# Altium PCB RX5808_TOP.PcbDoc
Units mm, origin at the board's own origin, x right, y up, seen from the top; angles counter-clockwise.
Board outline 34.04 x 27.96 mm, 2 copper layers (Top Layer, Bottom Layer); 67 components, 52 nets, 247 pads, 155 vias.
Unrouted connection lines stored in the file: 119.
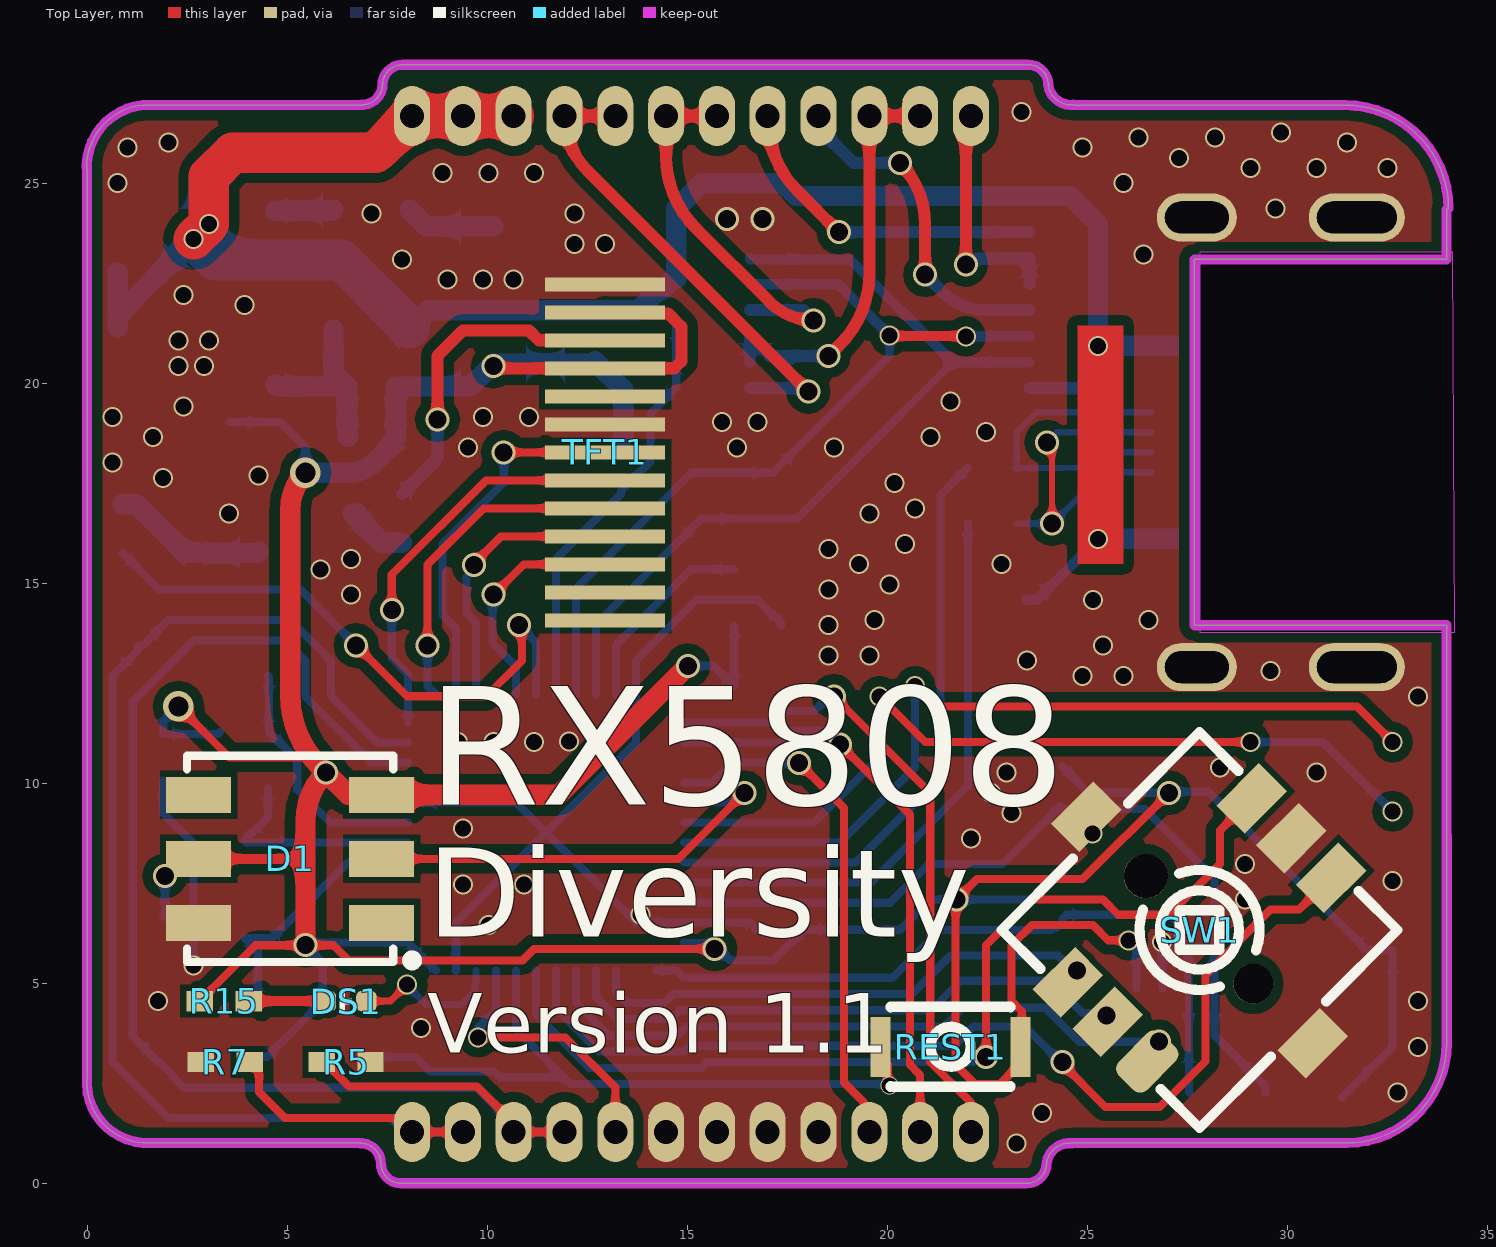
[diagram p0: Top Layer view]
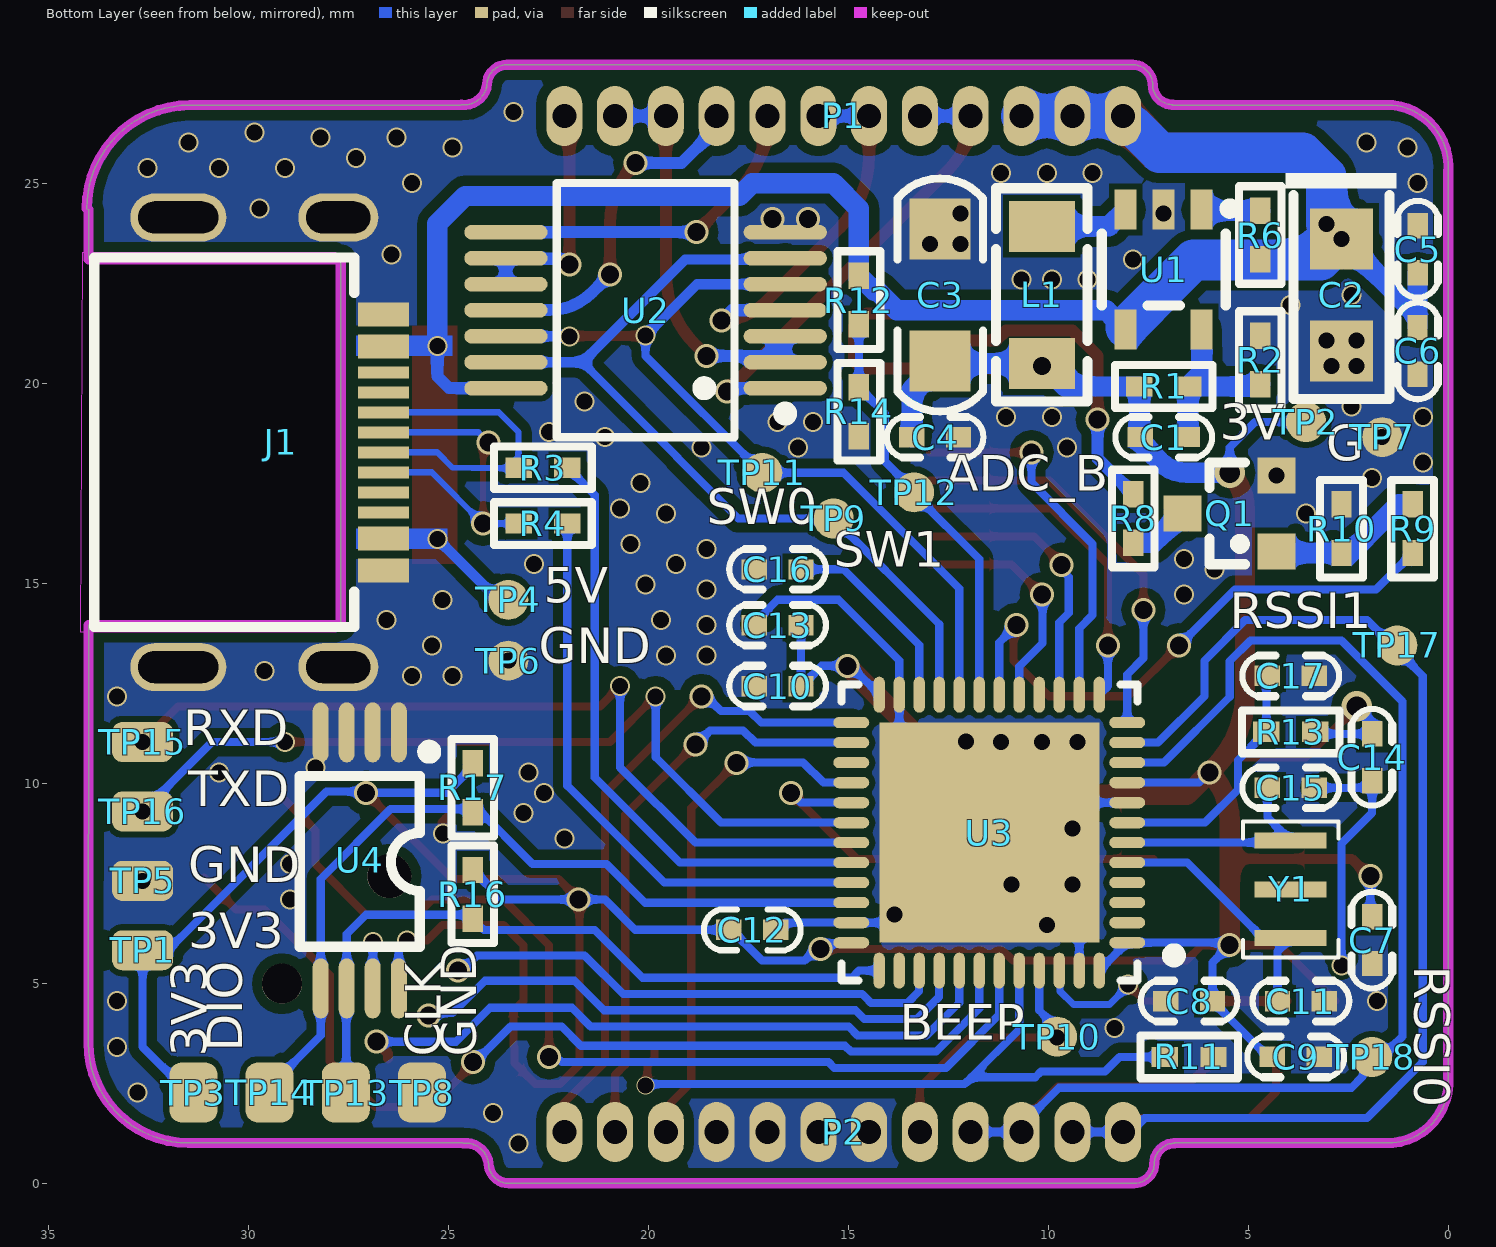
[diagram p1: Bottom Layer view, seen from below]

## Layer stack, top to bottom
Top Solder: solder mask 0.0102, Solder Resist, Dk 3.5
Top Layer: signal copper 0.0356
Dielectric 1: dielectric 0.32, FR-4, Dk 4.8
Bottom Layer: signal copper 0.0356
Bottom Solder: solder mask 0.0102, Solder Resist, Dk 3.5

## Board outline
0,2.667 ccw(c1.519,2.545) 1.397,1.027 6.858,1.027 6.84,1.017 cw(c6.84,0.509) 7.348,0.509 ccw(c7.848,0.517) 7.856,0.017 23.482,0.017 ccw(c23.49,0.517) 23.99,0.509 cw(c24.561,0.446) 24.625,1.017 24.643,1.027 31.494,1.027 ccw(c31.494,3.528) 33.995,3.528 33.991,13.97 27.686,13.97 27.686,23.114 33.991,23.114 33.991,24.361 34.036,24.384 ccw(c31.449,24.384) 31.449,26.971 24.683,26.971 24.665,26.981 cw(c24.601,27.552) 24.03,27.489 ccw(c23.53,27.481) 23.522,27.981 7.896,27.981 ccw(c7.888,27.481) 7.388,27.489 cw(c6.88,27.489) 6.88,26.981 6.898,26.971 1.397,26.971 ccw(c1.547,25.423) 0,25.273

## Design rules (kind name [scope] priority, off if disabled: settings)
Clearance [All] p1: gap=0.254 ignorepadtopadclearanceinfootprint=FALSE except(0: Arc-Hole Track-Hole SMDPad-Hole THPad-Hole Via-Hole Fill-Hole Poly-Hole Region-Hole Text-Hole; 0.152: SMDPad-SMDPad SMDPad-Fill SMDPad-Poly SMDPad-Region; 0.203: Arc-Arc Arc-Track Track-Track)
ComponentClearance [All] p1: gap=0 collisioncheckmode=3 verticalgap=0 showdistances=FALSE
MinimumSolderMaskSliver [All] p1: minsoldermaskwidth=0.152
PolygonConnect [All] p1: connectstyle=Direct reliefconductorwidth=0.254 reliefentries=4 polygonreliefangle="90 Angle" airgapwidth=0.254
RoutingVias [All] p1: holewidth=0.711 width=1.27 viastyle="Through Hole" minholewidth=0.711 minwidth=1.27 maxholewidth=0.711 maxwidth=1.27
SilkToSolderMaskClearance [IsPad] p1: minsilkscreentomaskgap=0 clearancetoexposedcopper=TRUE
SolderMaskExpansion [All] p1: expansion=0.102 istentingtop=FALSE
Width [All] p1: maxlimit=5.08 minlimit=0.152 preferedwidth=0.254
27 further rules are at their usual default settings.

## Components (designator, comment, footprint, x,y, rotation, side; value= is the part's Value field where it differs from the comment)
C1 "Cap" 0402_CAP 7.112,18.669 r180 bottom value=220pf
C2 "Cap Pol" CAP-3216 2.667,22.225 r270 bottom value=100uF
C3 "Cap" 1206_CAP 12.7,22.225 r270 bottom value=100nF
C4 "Cap" 0402_CAP 12.827,18.669 r0 bottom value=100nF
C5 "Cap" 0402_CAP 0.762,23.368 r270 bottom value=100nF
C6 "Cap" 0402_CAP 0.762,20.828 r90 bottom value=100nF
C7 "Cap" 0402_CAP 1.905,6.096 r270 bottom value=100nF
C8 "Cap" 0402_CAP 6.477,4.572 r0 bottom value=100nF
C9 "Cap" 0402_CAP 3.81,3.175 r180 bottom value=100nF
C10 "Cap" 0402_CAP 16.764,12.446 r0 bottom value=100nF
C11 "Cap" 0402_CAP 3.683,4.572 r0 bottom value=22pf
C12 "Cap" 0402_CAP 17.399,6.35 r180 bottom value=100nF
C13 "Cap" 0402_CAP 16.764,13.97 r0 bottom value=100nF
C14 "Cap" 0402_CAP 1.905,10.668 r270 bottom value=100nF
C15 "Cap" 0402_CAP 3.937,9.906 r0 bottom value=22pf
C16 "Cap" 0402_CAP 16.764,15.367 r0 bottom value=100nF
C17 "Cap" 0402_CAP 3.937,12.7 r180 bottom value=100nF
D1 "LED" LED-SMD_6P-L5.0-W5.0-TL 5.079,8.128 r180 top
DS1 "LED" 0402_LED 6.477,4.572 r0 top
J1 "USB type C" USB-C-SMD_TYPE-C-16M-005 30.099,18.542 r270 bottom
L1 "2.2uH" "L 1206" 10.16,22.225 r90 bottom
P1 "Header 12" HDR1.27-1x12 22.098,26.7 r180 bottom locked
P2 "Header 12" HDR1.27-1x12 22.098,1.3 r180 bottom locked
Q1 "SS8050" SOT23A 5.334,16.764 r90 bottom
R1 "100K" 0402_RES 7.112,19.939 r0 bottom
R2 "22K" 0402_RES 4.699,20.599 r270 bottom
R3 "22R" 0402_RES 22.631,17.907 r180 bottom
R4 "22R" 0402_RES 22.631,16.51 r180 bottom
R5 "1M" 0402_RES 6.477,3.048 r0 top
R6 "22K" 0402_RES 4.699,23.724 r90 bottom
R7 "1M" 0402_RES 3.454,3.048 r180 top
R8 "10" 0402_RES 7.874,16.637 r90 bottom
R9 "1K" 0402_RES 0.889,16.383 r90 bottom
R10 "10K" 0402_RES 2.667,16.383 r90 bottom
R11 "10K" 0402_RES 6.477,3.175 r180 bottom
R12 "10K" 0402_RES 14.732,22.098 r90 bottom
R13 "10K" 0402_RES 3.937,11.303 r180 bottom
R14 "10K" 0402_RES 14.732,19.304 r90 bottom
R15 "1K" 0402_RES 3.429,4.572 r180 top
R16 "10K" 0402_RES 24.384,7.239 r270 bottom
R17 "10K" 0402_RES 24.384,9.906 r270 bottom
REST1 "Jumper" SW-SMD_ST-1195 21.59,3.429 r0 top
SW1 "7*7*5-6P WX" SW-SMD_8P-L7.0-W7.0-P1.40-LS7.4-TL 27.813,6.35 r45 top locked
TFT1 "IPS0.96_80x160" IPS-0.96 12.573,18.291 r0 top locked
TP1 "TEST" TEST1.0#1 32.639,5.842 r180 bottom
TP2 "TEST" TEST1.0#2 3.556,19.05 r90 bottom
TP3 "TEST" TEST1.0#3 31.369,2.286 r90 bottom
TP4 "TEST" TEST1.0#2 23.495,14.605 r90 bottom
TP5 "TEST" TEST1.0#1 32.639,7.578 r180 bottom
TP6 "TEST" TEST1.0#2 23.495,13.081 r90 bottom
TP7 "TEST" TEST1.0#2 1.651,18.669 r90 bottom
TP8 "TEST" TEST1.0#3 25.654,2.286 r90 bottom
TP9 "TEST" TEST1.0#2 15.367,16.637 r90 bottom
TP10 "TEST" TEST1.0#2 9.779,3.683 r90 bottom
TP11 "TEST" TEST1.0#2 17.145,17.78 r90 bottom
TP12 "TEST" TEST1.0#2 13.354,17.291 r90 bottom
TP13 "TEST" TEST1.0#3 27.559,2.286 r90 bottom
TP14 "TEST" TEST1.0#3 29.464,2.286 r90 bottom
TP15 "TEST" TEST1.0#1 32.639,11.049 r180 bottom
TP16 "TEST" TEST1.0#1 32.639,9.313 r180 bottom
TP17 "TEST" TEST1.0#2 1.27,13.462 r90 bottom
TP18 "TEST" TEST1.0#2 1.905,3.175 r90 bottom
U1 "SY8079AAC" SOT-23-5_L3.0-W1.7-P0.95-LS2.8-TL 7.112,22.86 r270 bottom
U2 "SN74HC4066DBR" SSOP-14_L6.5-W5.2-P0.65-LS8.0-BL 20.066,21.844 r90 bottom locked
U3 "STM32F411CEU6" UFQFPN-48_L7.0-W7.0-P0.50-BL-EP 11.473,8.783 r90 bottom locked
U4 "24C02" TSSOP-8_L4.4-W3.0-P0.65-LS6.4-BL-2 27.178,8.128 r270 bottom
Y1 "XTAL" CSTCE8M00G55 3.937,7.366 r270 bottom

## Footprints (in the part's own frame and the unit in brackets; to place one, negate y for a bottom-side part, rotate by r counter-clockwise, add the part's x,y. Pads: shape width x height; smd on the part's side, far side on the other; paste and mask are expansions set on the pad)
0402_CAP [mil] "无极性贴片电容"
  rect 25x20 smd: 1(-23,0.16) 2(23,0.16)
  silkscreen extent -48,-20 48,20, body extent -20,-10 20,10, height 20
0402_LED [mil]
  rrect50% 20x20 smd: 1(-20,0) 2(20,0)
  silkscreen extent -6,-10 6,10, body extent -20,-10 20,10, height 18
0402_RES [mil] "1/16W贴片电阻"
  rect 26x20 smd: 1(-24,0) 2(24,0)
  silkscreen extent -48,-21 48,21, body extent -20,-10 20,10, height 12
1206_CAP [mil] "无极性贴片电容"
  rect 60x60 smd: 1(-65,0) 2(65,0)
  silkscreen extent -115,-42 115,42, body extent -63,-32 63,32, height 48
CAP-3216 [mil] "钽电容"
  rect 60x61.81 smd: 1(-55,0) 2(55,0)
  silkscreen extent -120,-55 102,54, body extent -67,-35 67,35, height 71
CSTCE8M00G55 [mm]
  rect 0.4x1.8 smd: 1(-1.219,0) 2(1.219,0) GND(0,0)
  silkscreen extent -1.7,-1.19 1.7,1.19, body extent -1.6,-0.65 1.6,0.65, height 0.7
HDR1.27-1x12 [mm]
  oval 0.9x1.5 hole 0.6: 1(0,0) 2(1.27,0) 3(2.54,0) 4(3.81,0) 5(5.08,0) 6(6.35,0) 7(7.62,0) 8(8.89,0) 9(10.16,0) 10(11.43,0) 11(12.7,0) 12(13.97,0)
  body extent 0,0 13.97,0
IPS-0.96 [mm] "Connector; FH12 Series; 20 Position; 0.5mm Spaced Bottom Contact"
  rect 3x0.35 smd: 1(0.381,-4.2) 2(0.381,-3.5) 3(0.381,-2.8) 4(0.381,-2.1) 5(0.381,-1.4) 6(0.381,-0.7) 7(0.381,0) 8(0.381,0.7) 9(0.381,1.4) 10(0.381,2.1) 11(0.381,2.8) 12(0.381,3.5) 13(0.381,4.2)
  body extent -12.19,-6.73 15.88,6.73, height 1.6
"L 1206" [mil] "小功率贴片电感"
  rect 50x65 smd: 1(-67.5,0) 2(67.5,0)
  silkscreen extent -105,-45 105,45, body extent -63,-31 63,31, height 35
LED-SMD_6P-L5.0-W5.0-TL [mm]
  rect 1.625x0.896 smd: 1(-2.287,1.6) 2(-2.287,0) 3(-2.287,-1.6) 4(2.287,-1.6) 5(2.287,0) 6(2.287,1.6)
  silkscreen extent -3.17,-2.58 2.58,2.66, body extent -2.7,-2.47 2.7,2.48, height 1.6
SOT23A [mm]
  rect 0.9x0.95 smd: 1(-0.95,-1.048) 2(0.95,-1.048) 3(0,1.302)
  silkscreen extent -1.27,-0.25 1.27,0.64, body extent -1.46,-1.12 1.46,1.35, height 1
SOT-23-5_L3.0-W1.7-P0.95-LS2.8-TL [mm]
  rect 1x0.55 smd: 1(-1.5,0.95) 2(-1.5,0) 3(-1.5,-0.95) 4(1.5,-0.95) 5(1.5,0.95)
  silkscreen extent -1.65,-1.55 0.9,1.78, body extent -1.4,-1.5 1.4,1.5, height 1.15
SSOP-14_L6.5-W5.2-P0.65-LS8.0-BL [mm]
  oval 0.364x2.082 smd: 1(-1.95,-3.491) 2(-1.3,-3.491) 3(-0.65,-3.491) 4(0,-3.491) 5(0.65,-3.491) 6(1.3,-3.491) 7(1.95,-3.491) 8(1.95,3.491) 9(1.3,3.491) 10(0.65,3.491) 11(0,3.491) 12(-0.65,3.491) 13(-1.3,3.491) 14(-1.95,3.491)
  silkscreen extent -3.18,-3.64 3.18,2.22, body extent -2.5,-3.2 2.5,3.2, height 1.25
SW-SMD_8P-L7.0-W7.0-P1.40-LS7.4-TL [mm]
  rect 1.5x1 smd: 1(-3.25,1.4) 2(-3.25,0) 4(3.25,-1.4) 5(3.25,0) 6(3.25,1.4) 7(0,4) 8(0,-4)
  rrect50% 1.5x1 smd: 3(-3.25,-1.4)
  round 1.1 hole 1.1 unplated: ""(0,1.9)
  round 1 hole 1 unplated: ""(0,-1.9)
  silkscreen extent -3.5,-3.5 3.5,3.5, body extent -3.75,-4.1 3.75,4.1, height 5.9
SW-SMD_ST-1195 [mm]
  rect 0.5x1.5 smd: 1(-1.75,0) 2(1.75,0)
  silkscreen extent -1.5,-1 1.5,1, body extent -1.75,-0.98 1.75,1.02, height 0.46
TEST1.0#1 [mm]
  rrect50% 1.524x1 smd: 1(0,0)
TEST1.0#2 [mm]
  round 1 smd: 1(0,0)
TEST1.0#3 [mm]
  rrect50% 1.5x1.2 smd: 1(0,0)
TSSOP-8_L4.4-W3.0-P0.65-LS6.4-BL-2 [mm]
  oval 1.5x0.4 smd: 1(-3.163,0.942) 2(-3.163,0.292) 3(-3.163,-0.358) 4(-3.163,-1.008) 5(3.238,-1.008) 6(3.238,-0.358) 7(3.238,0.292) 8(3.238,0.942)
  silkscreen extent -2.83,-1.53 2.2,1.85, body extent -3.2,-1.5 3.2,1.5, height 1.2
UFQFPN-48_L7.0-W7.0-P0.50-BL-EP [mm]
  oval 0.28x0.9 smd: 1(-2.751,-3.449) 2(-2.25,-3.449) 3(-1.75,-3.449) 4(-1.25,-3.449) 5(-0.749,-3.449) 6(-0.249,-3.449) 7(0.249,-3.449) 8(0.749,-3.449) 9(1.25,-3.449) 10(1.75,-3.449) 11(2.251,-3.449) 12(2.751,-3.449) 25(2.751,3.449) 26(2.251,3.449) 27(1.75,3.449) 28(1.25,3.449) 29(0.749,3.449) 30(0.249,3.449) 31(-0.249,3.449) 32(-0.749,3.449) 33(-1.25,3.449) 34(-1.75,3.449) 35(-2.25,3.449) 36(-2.751,3.449)
  oval 0.9x0.28 smd: 13(3.449,-2.751) 14(3.449,-2.25) 15(3.449,-1.75) 16(3.449,-1.25) 17(3.449,-0.749) 18(3.449,-0.249) 19(3.449,0.249) 20(3.449,0.749) 21(3.449,1.25) 22(3.449,1.75) 23(3.449,2.25) 24(3.449,2.751) 37(-3.449,2.751) 38(-3.449,2.25) 39(-3.449,1.75) 40(-3.449,1.25) 41(-3.449,0.749) 42(-3.449,0.249) 43(-3.449,-0.249) 44(-3.449,-0.749) 45(-3.449,-1.25) 46(-3.449,-1.75) 47(-3.449,-2.25) 48(-3.449,-2.751)
  rect 5.5x5.5 smd: 49(0,0)
  silkscreen extent -3.7,-4.77 3.7,3.7, body extent -3.51,-3.51 3.51,3.51, height 0.78
USB-C-SMD_TYPE-C-16M-005 [mm]
  oval 1.2x2.4 hole 0.8 slot 2 at 90 deg: 1(-5.62,-1.649) 1(5.62,-1.649)
  oval 1.2x2 hole 0.8 slot 1.6 at 90 deg: 1(-5.62,2.351) 1(5.62,2.351)
  rect 0.3x1.27 smd: A1(-3.35,3.48) A4(-2.55,3.48) A5(-1.25,3.48) A6(-0.25,3.48) A7(0.25,3.48) A8(1.25,3.48) A9(2.55,3.48) A12(3.35,3.48) B1(3.05,3.48) B4(2.25,3.48) B5(1.75,3.48) B6(0.75,3.48) B7(-0.75,3.48) B8(-1.75,3.48) B9(-2.25,3.48) B12(-3.05,3.48)
  Keep-Out Layer board cut-out: -4.75,-4.039 -4.75,2.286 4.75,2.286 4.75,-4.089
  silkscreen extent -4.62,-3.75 4.62,2.75, body extent -5.71,-3.7 5.76,3.45, height 1.96

## Part data
C1 C3 C4 C5 C6 C7 C8 C9 C10 C11 C12 C13 C14 C15 C16 C17: "无极性电容", LatestRevisionDate=17-Jul-2002, LatestRevisionNote="Re-released for DXP Platform.", PackageReference=RAD-0.3, Published=8-Jun-2000, Publisher="Altium Limited"
C2: "极性电解电容", LatestRevisionDate=17-Jul-2002, LatestRevisionNote="Re-released for DXP Platform.", PackageReference=RB7.6-15, Published=8-Jun-2000, Publisher="Altium Limited", Vol=16V
D1: library part WS2812
J1: library part Type-C, "TYPEC接口-16PIN"
L1: library part Inductance, "电感"
P1 P2: "Header, 12-Pin", LatestRevisionDate=17-Jul-2002, LatestRevisionNote="Re-released for DXP Platform.", Publisher="Altium Limited"
Q1: "NPN三极管"
R1 R2 R3 R4 R5 R6 R7 R8 R9 R10 R11 R12 R13 R14 R15 R16 R17: library part RES, "电阻"
REST1: "按键", LatestRevisionDate=17-Jul-2002, LatestRevisionNote="Re-released for DXP Platform.", PackageReference=RAD-0.2, Published=24-Mar-1999, Publisher="Altium Limited"
SW1: "五向按键", BOM_JLCPCB Part Class="Extended Part", BOM_Manufacturer="SHOU HAN(首韩)", BOM_Manufacturer Part="7*7*5-6P WX", BOM_Supplier=LCSC, BOM_Supplier Part=C2858286, Contributor=LCSC, spicePre=S, spiceSymbolName="7*7*5-6P WX"
TFT1: "IPS-135x240", BOM名称=1.44寸TFT屏, 学习资源=www.ooocke.com, 版权归属=源创客
TP1 TP2 TP3 TP4 TP5 TP6 TP7 TP8 TP9 TP10 TP11 TP12 TP13 TP14 TP15 TP16 TP17 TP18: "测试点", BOM名称=测试点, 学习资源=www.ooocke.com, 版权归属=源创客
U1: BOM_JLCPCB Part Class="Extended Part", BOM_Manufacturer=Silergy, BOM_Manufacturer Part=SY8079AAC, BOM_Supplier=LCSC, BOM_Supplier Part=C133751, spicePre=U, spiceSymbolName=SY8079AAC
U2: BOM_JLCPCB Part Class="Extended Part", BOM_Manufacturer=TI, BOM_Manufacturer Part=SN74HC4066DBR, BOM_Supplier=LCSC, BOM_Supplier Part=C6849, spicePre=X, spiceSymbolName=SN74HC4066DBR
U3: BOM_JLCPCB Part Class="Extended Part", BOM_Manufacturer=STMicroelectronics, BOM_Manufacturer Part=STM32F411CEU6, BOM_Supplier=LCSC, BOM_Supplier Part=C60420, spicePre=U, spiceSymbolName=STM32F411CEU6
U4: "E2PROM"
Y1: library part XTAL_1

## Via types
v1: diameter 0.5, hole 0.4, Top Layer to Bottom Layer, tented both sides, 116 vias
v2: diameter 0.6, hole 0.45, Top Layer to Bottom Layer, tented both sides, 36 vias
v3: diameter 0.762, hole 0.508, Top Layer to Bottom Layer, tented both sides, 2 vias
v4: diameter 0.45, hole 0.4, Top Layer to Bottom Layer, tented both sides, 1 vias

## Nets (pads, with @x,y where several pads share a name; then routed paths per layer and width w, separated by ;. In a path a pad name is that pad's centre, name@x,y a point inside that pad or via, vN(x,y) a via of type N, cw(c..) or ccw(c..) an arc to the next point about the centre after c; other vN are vias at no path point)
5V: C2.1 C5.2 C6.2 J1.A4 J1.A9 J1.B4 J1.B9 P1.10 P1.11 P1.12 R6.1 R12.2 TP4.1 U1.4 U2.14 | length 59.1
  Top Layer w1.016: v1(2.667,23.622) v1(3.048,24.003) 3.048,25.186 3.643,25.781 7.209,25.781 P1.12 P1.11 P1.10
  Bottom Layer w0.254: TP4.1 23.749,14.605 v1(25.273,16.129) ; v1(25.273,20.955) J1.A4@26.162,20.955
  Bottom Layer w0.3: U2.14 24.974,19.894 25.273,20.193 v1(25.273,20.955)
  Bottom Layer w0.508: C5.2 0.766,22.776 C6.2@0.766,21.721 ; C6.2 C6.2@0.766,21.721 ; v1(2.667,23.622) C6.2@0.766,21.721 ; U1.4 8.062,21.402 8.062,21.585 8.083,21.606 8.308,21.606 8.546,21.844 13.785,21.844 14.268,22.327 14.351,22.327 14.656,22.631 14.732,22.631 R12.2 14.732,24.384 15.367,25.019 17.399,25.019 17.716,24.701 24.575,24.701 25.273,24.003 v1(25.273,20.955)
  Bottom Layer w1.016: v1(2.667,23.622) 3.191,23.098 6.366,23.098 U1.4@8.062,21.402 ; v1(3.048,24.003) 3.048,25.186 3.643,25.781 7.209,25.781 7.886,26.458 8.07,26.458 8.128,26.516 P1.12 P1.11 P1.10
ADC_BAT: R12.1 R14.2 TP12.1 U3.19 | length 10.5
  Bottom Layer w0.203: U3.19 11.722,15.621 13.354,17.253 13.354,17.329 13.682,17.657 14.084,18.06 14.084,19.266 R14.2 R12.1
ADC_RSSI0: P2.9 P2.10 R5.1 TP18.1 U3.10 | length 36.4
  Top Layer w0.203: R5.1@5.944,3.048 6.553,2.438 9.754,2.438 10.668,1.524 P2.10 P2.9
  Bottom Layer w0.203: U3.10 7.108,10.533 5.461,12.18 5.461,13.069 4.941,13.589 2.667,13.589 1.143,12.065 1.143,3.683 1.778,3.048 1.816,3.048 2.144,2.721 2.144,2.682 2.42,2.406 9.732,2.406 10.668,1.469 P2.10 P2.9
ADC_RSSI1: P2.11 P2.12 R7.1 TP17.1 U3.11 | length 35.2
  Top Layer w0.203: R7.1@4.304,3.048 4.304,2.3 4.953,1.651 7.661,1.651 8.012,1.3 P2.11
  Bottom Layer w0.203: U3.11 7.254,11.034 6.096,12.192 6.096,13.081 5.08,14.097 2.032,14.097 1.397,13.462 TP17.1 1.27,13.335 0.635,12.7 0.635,3.048 2.032,1.651 7.588,1.651 7.939,1.3 P2.11
AUDIO: P1.1 U2.9 U2.10 | length 6
  Top Layer w0.3: v2(21.971,22.987) 21.971,26.393 cw(c22.405,26.393) P1.1
  Bottom Layer w0.3: v2(21.971,22.987) 22.052,22.987 22.197,23.132 23.545,23.132 U2.9 U2.10
AUDIO0: P1.5 U2.8 | length 8.3
  Top Layer w0.3: P1.5 17.018,26.624 ccw(c19.558,26.624) 17.762,24.828 v2(18.796,23.794)
  Bottom Layer w0.3: v2(18.796,23.794) U2.8
AUDIO1: P1.4 U2.11 | length 8.9
  Top Layer w0.3: P1.4@18.288,26.4 P1.4@18.288,26.468 ; P1.4 P1.4@18.288,26.468 ; P1.4@18.307,26.449 P1.4@18.288,26.468 ; v2(20.32,25.527) cw(c18.787,23.994) 20.955,23.994 v2(20.955,22.733)
  Bottom Layer w0.3: P1.4 18.288,26.4 19.161,25.527 v2(20.32,25.527) ; v2(20.955,22.733) 21.399,22.288 ; 21.4,22.288 ccw(c22.473,23.362) 22.473,21.844 U2.11
BEEP: P2.8 TP10.1 U3.45 | length 6.9
  Top Layer w0.203: v1(9.779,3.664) 11.957,3.664 13.208,2.413 P2.8
  Bottom Layer w0.203: v1(9.779,3.664) 9.779,3.899 10.223,4.343 U3.45
BOOT0: R11.1 REST1.1 U3.44 | length 17.5
  Top Layer w0.203: REST1.1 19.84,3.135 19.989,2.987 20.019,2.987 20.019,2.515 v4(20.066,2.467)
  Bottom Layer w0.203: R11.1 8.216,3.175 8.58,2.812 10.179,2.812 10.324,2.667 11.923,2.667 ; U3.44 10.724,3.866 11.923,2.667 ; v4(20.066,2.467) 20.036,2.497 12.092,2.497 11.923,2.667
GND: C2.2 C3.1 C4.1 C5.1 C6.1 C7.2 C8.2 C9.2 C10.2 C11.1 C12.2 C13.2 C14.2 C15.1 C16.2 C17.2 D1.6 J1.1 J1.A1 J1.A12 J1.B1 J1.B12 P2.4 P2.5 P2.6 P2.7 Q1.2 R2.1 R5.2 R7.2 R10.2 R11.2 R14.1 SW1.5 SW1.7 SW1.8 TFT1.8 TFT1.13 TP5.1 TP6.1 TP7.1 TP8.1 U1.2 U2.7 U3.8 U3.23 U3.35 U3.47 U3.49 U4.1 U4.2 U4.3 U4.4 U4.7 | length 32.4
  Top Layer w0.254: SW1.7 25.146,9.017 25.146,8.781 v1(25.132,8.767)
  Bottom Layer w0.203: v1(2.667,5.461) 2.667,8.509 1.901,9.275 C14.2 2.083,9.902 C15.1 ; U3.8 10.724,9.533 U3.49 ; U3.47@9.218,5.329 U3.47 9.223,6.533 U3.49 ; C12.2 16.751,6.354 16.572,6.533 U3.35 13.724,6.533 U3.49 ; C13.2 17.348,14.021 16.764,14.605 15.24,14.605 13.724,13.089 U3.23 13.724,11.034 U3.49 ; v1(26.879,6.047) 26.882,6.043 26.882,4.893 U4.7
  other v1: 23.241,1.016 23.876,1.778 32.766,2.286 33.274,3.429 8.344,3.904 1.778,4.572 33.274,4.572 10.033,6.477 13.843,6.731 28.956,7.112 9.398,7.493 10.922,7.493 32.639,7.578 28.956,8.001 22.098,8.636 9.398,8.89 23.114,9.271 22.606,9.779 22.987,10.287 30.734,10.287 28.321,10.414 9.271,11.049 10.16,11.049 11.176,11.049 12.054,11.06 33.274,12.192 24.892,12.7 25.908,12.7 29.591,12.827 23.495,13.081 18.542,13.208 19.558,13.208 25.4,13.462 18.542,13.97 19.685,14.097 26.543,14.097 25.146,14.605 6.604,14.732 18.542,14.859 20.066,14.986 5.842,15.367 19.304,15.494 22.86,15.494 6.604,15.621 18.542,15.875 20.447,16.002 3.556,16.764 19.558,16.764 20.701,16.891 20.193,17.526 1.905,17.653 4.286,17.714 0.635,18.034 9.525,18.415 16.256,18.415 18.669,18.415 1.651,18.669 21.082,18.669 22.479,18.796 15.875,19.05 16.764,19.05 0.635,19.177 9.906,19.177 11.049,19.177 2.413,19.431 21.59,19.558 2.286,20.447 2.921,20.447 2.286,21.082 3.048,21.082 3.937,21.971 2.413,22.225 9.017,22.606 9.906,22.606 10.668,22.606 7.874,23.114 26.416,23.241 12.192,23.495 12.954,23.495 7.112,24.257 12.192,24.257 29.718,24.384 0.762,25.019 25.908,25.019 8.89,25.273 10.033,25.273 11.176,25.273 29.083,25.4 30.734,25.4 32.512,25.4 27.305,25.654 1.016,25.908 24.892,25.908 2.036,26.035 31.496,26.035 26.289,26.162 28.194,26.162 29.845,26.289 23.368,26.797
  other v2: 16.002,24.13 16.891,24.13
IPS_BLK: R9.1 U3.18 | length 14.7
  Top Layer w0.203: v2(6.731,13.462) 8.001,12.192 9.981,12.192 10.871,13.082 10.871,13.894 v2(10.795,13.97)
  Bottom Layer w0.203: R9.1 1.803,14.859 5.334,14.859 v2(6.731,13.462) ; v2(10.795,13.97) 11.224,13.541 U3.18
IPS_CS: TFT1.7 U3.14 | length 9.4
  Top Layer w0.203: v2(10.414,18.288) 10.417,18.291 TFT1.7
  Bottom Layer w0.203: U3.14 9.223,13.891 8.89,14.224 8.89,14.986 8.89,16.002 10.42,17.532 10.42,18.282 v2(10.414,18.288)
IPS_DC: TFT1.5 U3.13 | length 8.4
  Top Layer w0.203: v2(8.509,13.462) 8.509,15.482 9.918,16.891 TFT1.5
  Bottom Layer w0.203: v2(8.509,13.462) 8.509,12.446 U3.13
IPS_RES: TFT1.6 U3.12 | length 10.2
  Top Layer w0.203: v2(7.62,14.351) 7.62,15.24 9.971,17.591 TFT1.6
  Bottom Layer w0.203: v2(7.62,14.351) 7.62,13.144 8.024,12.741 U3.12
IPS_SCK: TFT1.4 U3.15 | length 7
  Top Layer w0.203: v2(9.673,15.476) 9.673,15.515 10.349,16.191 TFT1.4
  Bottom Layer w0.203: v2(9.673,15.476) 9.673,15.359 9.487,15.173 9.487,14.274 9.723,14.037 U3.15
IPS_SDA: TFT1.3 U3.17 | length 5.9
  Top Layer w0.203: v2(10.16,14.732) 10.919,15.491 TFT1.3
  Bottom Layer w0.203: v2(10.16,14.732) 10.139,14.711 10.139,13.519 10.724,12.935 U3.17
K0: SW1.1 U3.39 | length 13
  Top Layer w0.254: SW1.1@24.659,5.207 24.659,5.241 v2(24.752,5.334)
  Bottom Layer w0.203: U3.39 13.228,5.329 13.228,4.819 13.518,4.528 14.429,4.528 14.574,4.673 14.65,4.749 20.624,4.749 21.59,5.715 24.278,5.715 24.659,5.334 v2(24.752,5.334)
K1: SW1.2 U3.40 | length 14.6
  Top Layer w0.203: v2(25.493,4.212) 25.515,4.19 SW1.2
  Bottom Layer w0.203: U3.40 12.728,5.329 12.728,4.673 13.278,4.122 14.598,4.122 14.819,4.343 21.107,4.343 21.844,5.08 24.079,5.08 24.888,4.271 25.433,4.271 v2(25.493,4.212)
K2: SW1.3 U3.41 | length 16.9
  Top Layer w0.254: SW1.3@26.505,3.137 26.505,3.264 v2(26.797,3.556)
  Bottom Layer w0.203: U3.41 12.222,4.531 13.038,3.716 14.766,3.716 14.987,3.937 21.438,3.937 21.907,4.407 23.952,4.407 24.803,3.556 v2(26.797,3.556)
K3: SW1.4 U3.42 | length 25.6
  Top Layer w0.203: v2(24.384,3.048) 24.333,3.048 25.455,1.926 26.818,1.926 27.961,3.069 27.961,5.228 29.591,6.858 30.301,6.858 SW1.4
  Bottom Layer w0.203: U3.42 11.722,4.385 12.797,3.31 14.934,3.31 15.078,3.454 21.679,3.454 22.162,3.937 23.444,3.937 24.333,3.048 v2(24.384,3.048)
K4: SW1.6 U3.43 | length 24.8
  Top Layer w0.203: v2(22.479,3.175) 22.479,5.969 23.622,7.112 25.4,7.112 25.781,6.731 27.051,6.731 28.321,8.001 28.321,8.838 SW1.6
  Bottom Layer w0.203: U3.43 11.224,4.236 12.557,2.904 15.35,2.904 15.494,3.048 22.162,3.048 22.213,3.099 22.403,3.099 v2(22.479,3.175)
LED0: DS1.2 U3.46 | length 3.8
  Top Layer w0.178: DS1.2 7.591,4.572 v1(8.001,4.982)
  Bottom Layer w0.178: v1(8.001,4.982) 8.001,4.953 8.471,4.483 9.369,4.483 9.704,4.817 9.704,4.977 9.723,4.996 U3.46
LED_STRIP: D1.2 U3.29 | length 11.4
  Top Layer w0.203: D1.2 14.78,8.128 v2(16.431,9.779)
  Bottom Layer w0.203: U3.29 16.185,9.533 v2(16.431,9.779)
NetC1_2: C1.2 R1.1 R2.2 U1.5 | length 4.7
  Bottom Layer w0.508: R2.2 4.75,19.939 R1.1 ; U1.5 6.162,20.279 R1.1 ; C1.2 6.502,18.698 R1.1
NetC16_1: C16.1 U3.22 | length 5
  Bottom Layer w0.203: U3.22 13.223,13.477 15.113,15.367 16.176,15.367 C16.1
NetDS1_1: DS1.1 R15.1 | length 1.9
  Top Layer w0.254: R15.1 DS1.1
NetJ1_A6: J1.A6 J1.B6 R4.1 | length 8.7
  Top Layer w0.152: v2(23.997,18.542) 24.13,18.409 v2(24.13,16.51)
  Bottom Layer w0.152: R4.1 v2(24.13,16.51) 25.412,17.792 J1.B6 ; v2(23.997,18.542) 24.247,18.792 J1.A6
NetJ1_A7: J1.A7 J1.B7 R3.1 | length 8
  Bottom Layer w0.152: R3.1 23.241,18.796 23.737,19.292 J1.B7 ; R3.1@23.254,17.894 24.384,17.894 ccw(c24.384,18.542) 24.402,17.895 24.892,17.907 25.277,18.292 J1.A7
  Bottom Layer w0.203: R3.1 R3.1@23.254,17.894
NetL1_2: L1.2 U1.3 | length 2.3
  Bottom Layer w0.508: U1.3 8.482,23.939 L1.2
NetQ1_1: Q1.1 R9.2 R10.1 | length 3.9
  Bottom Layer w0.508: R9.2 1.237,16.993 2.457,15.773 R10.1 4.245,15.773 Q1.1
NetQ1_3: Q1.3 R8.1 | length 1.7
  Bottom Layer w0.508: Q1.3@6.756,16.764 Q1.3 7.373,16.027 R8.1
NetR6_2: R6.2 U1.1 | length 1.5
  Bottom Layer w0.508: R6.2 6.135,24.333 U1.1
NetR8_2: R8.2 TFT1.11 | length 8.4
  Top Layer w0.3: v2(8.763,19.113) 8.763,20.701 9.398,21.336 11.049,21.336 11.294,21.091 TFT1.11
  Bottom Layer w0.3: R8.2 8.763,18.136 v2(8.763,19.113)
NRST: C17.1 R13.1 U3.7 | length 6.3
  Bottom Layer w0.203: C17.1 4.547,12.679 R13.1 5.258,10.592 5.258,9.855 6.081,9.032 U3.7
OSC_IN: C11.2 U3.5 Y1.2 | length 6.6
  Bottom Layer w0.203: C11.2 4.267,5.817 Y1.2 4.637,6.147 6.524,8.034 U3.5
OSC_OUT: C15.2 U3.6 Y1.1 | length 5.7
  Bottom Layer w0.203: C15.2 4.521,9.169 Y1.1 3.988,8.534 U3.6
SPI1_MISO: U3.16
SPI2_CS: P2.1 U3.25 | length 16.3
  Top Layer w0.203: v2(18.669,12.192) 21.082,9.779 21.082,3.048 22.098,2.032 P2.1
  Bottom Layer w0.203: U3.25 17.175,11.534 17.462,11.822 18.182,11.822 18.552,12.192 v2(18.669,12.192)
SPI2_MOSI: P2.3 U3.28 | length 13
  Top Layer w0.203: v2(17.796,10.525) 18.923,9.398 18.923,2.54 19.425,2.038 19.425,1.433 P2.3
  Bottom Layer w0.203: U3.28 15.621,10.033 16.129,10.541 17.78,10.541 v2(17.796,10.525)
SPI2_SCK: P2.2 U3.26 | length 14.7
  Top Layer w0.203: v2(18.821,10.986) 20.574,9.232 20.574,2.982 20.828,2.728 P2.2
  Bottom Layer w0.203: U3.26 17.321,11.034 17.628,11.341 18.451,11.341 18.806,10.986 v2(18.821,10.986)
SWCLK: R16.2 TP13.1 U3.37 U4.6 | length 18.3
  Bottom Layer w0.203: U3.37 14.732,5.334 14.91,5.156 20.142,5.156 21.336,6.35 24.105,6.35 24.155,6.401 24.232,6.401 24.384,6.553 R16.2 24.486,6.731 27.051,6.731 27.536,6.246 U4.6 27.548,4.878 27.548,2.297 TP13.1
SWDIO: R17.2 TP14.1 U3.34 U4.5 | length 20.9
  Bottom Layer w0.203: U3.34 14.924,7.032 20.075,7.032 21.044,8.001 22.893,8.001 24.324,9.433 24.384,9.373 26.441,9.373 28.186,7.628 U4.5 28.186,3.714 29.464,2.436 TP14.1
U1_RX: TP15.1 U3.31 | length 21.1
  Top Layer w0.203: v1(20.701,12.446) 21.209,11.938 31.75,11.938 v1(32.639,11.049)
  Bottom Layer w0.203: U3.31 18.821,8.534 20.701,10.414 v1(20.701,12.446)
U1_TX: TP16.1 U3.30 | length 21.1
  Top Layer w0.203: v1(19.812,12.192) 20.955,11.049 v1(29.083,11.049)
  Bottom Layer w0.203: U3.30 18.176,9.032 19.812,10.668 v1(19.812,12.192) ; v1(29.083,11.049) 30.903,11.049 v1(32.639,9.313)
USB_DM: R3.2 U3.32 | length 15.3
  Bottom Layer w0.203: U3.32 19.21,8.034 21.336,10.16 21.336,17.221 R3.2
USB_DP: R4.2 U3.33 | length 14.7
  Bottom Layer w0.203: U3.33 19.599,7.534 22.022,9.957 R4.2
VCC_3V3: C1.1 C3.2 C4.2 C7.1 C8.1 C9.1 C10.1 C12.1 C13.1 C14.1 D1.3 D1.5 L1.1 R1.2 R13.2 R15.2 R16.1 R17.1 REST1.2 TFT1.10 TFT1.12 TP1.1 TP2.1 TP3.1 U3.1 U3.9 U3.24 U3.36 U3.48 U4.8 | length 127.9
  Top Layer w0.203: v3(2.286,11.938) 3.556,10.668 5.588,10.668 ; R15.2 4.216,5.969 v2(5.461,5.969) 6.162,5.969 6.543,5.588 10.883,5.588 11.173,5.877 v2(15.692,5.877) ; v1(26.035,6.092) 25.531,6.092 25.146,6.477 23.622,6.477 23.114,5.969 23.114,4.572 23.368,4.318 23.368,3.457 REST1.2 23.34,3.02 22.822,2.502 22.203,2.502 21.717,2.987 21.717,7.112 v2(21.738,7.112) 22.246,7.62 24.892,7.62 v2(27.051,9.779)
  Top Layer w0.254: v2(1.947,7.701) 1.986,7.701 2.413,8.128 D1.5 5.461,8.128
  Top Layer w0.3: v2(10.16,20.447) 10.216,20.391 14.682,20.391 14.858,20.567 14.858,21.433 14.525,21.766 12.979,21.766 TFT1.12
  Top Layer w0.508: v2(5.461,5.969) 5.461,8.128 5.461,9.061 cw(c7.195,9.061) v2(5.969,10.287) ; v3(5.461,17.78) ccw(c6.381,16.86) 5.08,16.86 5.08,12.228 ccw(c7.62,12.228) 5.824,10.432 v2(5.969,10.287) ; v2(15.019,12.954) 11.793,9.728 D1.3 6.528,9.728 v2(5.969,10.287)
  Bottom Layer w0.203: C7.1 1.947,6.727 v2(1.947,7.701) ; v3(2.286,11.938) 1.909,11.561 1.909,11.261 C14.1 3.277,11.252 R13.2 ; TP2.1 4.826,19.05 5.461,18.415 v3(5.461,17.78) ; C9.1 4.504,3.179 C8.1 5.893,5.537 v2(5.461,5.969) 5.524,6.032 U3.1 U3.48 ; v2(5.969,10.287) 6.223,10.033 U3.9 ; U3.24 14.945,12.954 v2(15.019,12.954) 15.668,12.954 C10.1 C13.1 ; U3.36 14.937,6.018 15.444,6.018 15.584,5.877 v2(15.692,5.877) 15.799,5.877 16.088,5.588 17.154,5.588 17.92,6.354 C12.1 20.324,6.354 21.082,7.112 v2(21.738,7.112) 23.647,7.112 24.155,7.62 24.232,7.62 24.384,7.772 R16.1 ; R17.1@24.384,10.439 25.044,9.779 v2(27.051,9.779) 27.08,9.808 28.038,9.808 32.004,5.842 TP1.1 32.639,3.429 TP3.1@31.369,2.159 ; v1(26.035,6.092) 26.035,6.036 26.236,5.835 U4.8
  Bottom Layer w0.508: v3(5.461,17.78) 6.53,17.78 ccw(c6.53,18.732) 7.204,18.059 ; 7.25,18.111 ccw(c6.347,19.174) 7.333,18.188 C1.1@7.61,18.466 ; C1.1@7.61,18.466 ccw(c7.403,18.673) C1.1 7.722,18.698 R1.2 9.588,19.939 L1.1 12.636,20.511 C3.2 13.411,19.863 C4.2
VIDEO: P1.2 P1.3 U2.2 U2.3 | length 11.7
  Top Layer w0.3: v2(18.542,20.701) 18.814,20.973 ccw(c17.018,22.769) 19.558,22.769 P1.3 P1.2
  Bottom Layer w0.3: U2.2 U2.3 17.068,20.701 v2(18.542,20.701) ; P1.3 P1.2
VIDEO0: P1.8 P1.9 U2.1 | length 13.4
  Top Layer w0.3: P1.8 P1.9 ccw(c13.85,26.7) 12.498,25.348 v2(18.034,19.812)
  Bottom Layer w0.3: P1.9 P1.8 ; U2.1 17.444,19.894 17.448,19.89 17.956,19.89 v2(18.034,19.812)
VIDEO1: P1.6 P1.7 U2.4 | length 11.1
  Top Layer w0.3: P1.6 P1.7 14.478,25.69 ccw(c17.018,25.69) 15.222,23.894 17.077,22.039 ccw(c18.161,23.123) v2(18.161,21.59)
  Bottom Layer w0.3: P1.7 P1.6 ; U2.4 17.907,21.844 v2(18.161,21.59)
VIDEO_SWITCH0: TP9.1 U2.6 U2.13 U3.21 | length 21.5
  Bottom Layer w0.203: U3.21 12.723,13.993 TP9.1 17.747,16.637 19.275,18.164 19.275,18.175 21.644,20.544
  Bottom Layer w0.254: U2.6 16.575,23.113 19.075,23.113 21.644,20.544 U2.13
VIDEO_SWITCH1: TP11.1 U2.5 U2.12 U3.20 | length 20.9
  Top Layer w0.254: v1(20.066,21.209) 20.075,21.2 21.962,21.2 v1(21.971,21.19)
  Bottom Layer w0.203: U3.20 12.222,14.889 15.113,17.78 TP11.1 20.066,20.701 v1(20.066,21.209)
  Bottom Layer w0.254: U2.5 18.781,22.494 v1(20.066,21.209) ; v1(21.971,21.19) 21.973,21.192 23.555,21.192 U2.12
pads on no net: D1.1 D1.4 J1.A5 J1.A8 J1.B5 J1.B8 SW1. TFT1.1 TFT1.2 TFT1.9 U3.2 U3.3 U3.4 U3.27 U3.38 Y1.GND

## Polygon pours and split planes (outlines as drawn)
GND on Top Layer "GND_L01_P000" (solid, remove dead copper, pour order 0): -0.077,-0.002 -0.077,27.94 34.188,27.94 33.967,-0.076
GND on Bottom Layer "GND_L02_P001" (solid, remove dead copper, pour order 1): 0.127,-0.144 0.127,27.83 34.187,27.83 33.966,-0.218

## Keep-outs
Keep-Out Layer:
  lines w0.254: 6.84,1.017 cw(c6.84,0.509) 7.348,0.509 ccw(c7.848,0.517) 7.856,0.017 23.482,0.017 ccw(c23.49,0.517) 23.99,0.509 cw(c24.561,0.446) 24.625,1.017 ; 6.858,1.027 1.397,1.027 cw(c1.519,2.545) 0,2.667 0,25.273 cw(c1.548,25.423) 1.397,26.971 6.898,26.971 ; 6.88,26.981 ccw(c6.88,27.489) 7.388,27.489 cw(c7.888,27.481) 7.896,27.981 23.522,27.981 cw(c23.53,27.481) 24.03,27.489 ccw(c24.601,27.552) 24.665,26.981 ; 24.643,1.027 31.494,1.027 ccw(c31.494,3.528) 33.995,3.528 33.991,13.97 27.686,13.97 27.686,23.114 33.991,23.114 33.991,24.361 ; 24.683,26.971 31.449,26.971 cw(c31.449,24.384) 34.036,24.384

## Other copper
Top Layer:
  region net 5V: 25.908,21.463 24.765,21.463 24.765,15.494 25.908,15.494
Bottom Layer:
  region net 5V: 27.305,16.383 25.019,16.383 25.019,15.875 27.305,15.875
  region net 5V: 27.305,21.209 24.892,21.209 24.892,20.701 27.305,20.701

## Silkscreen, mask and mechanical layers (free items; w line width, h text height)
Top Overlay:
  text "RX5808" at 8.509,8.509 h5.08
  text "Diversity" at 8.509,5.461 h3.81
  text "Version 1.1" at 8.509,2.794 h2.54
Bottom Overlay:
  text "3V" at 5.715,18.301 h1.52
  text "G" at 3.048,17.78 h1.52
  text "ADC_B" at 12.573,17.026 h1.52
  text "SW0" at 18.542,16.191 h1.52
  text "SW1" at 15.367,15.126 h1.52
  text "5V" at 22.606,14.237 h1.52
  text "RSSI1" at 5.461,13.589 h1.52
  text "GND" at 22.733,12.713 h1.52
  text "RXD" at 31.623,10.668 h1.52
  text "TXD" at 31.496,9.144 h1.52
  text "GND" at 31.496,7.239 h1.52
  text "3V3" at 31.496,5.588 h1.52
  text "RSSI0" at 1.143,5.461 h1.52 r90
  text "BEEP" at 13.716,3.302 h1.52
  text "DIO" at 29.845,3.302 h1.52 r270
  text "GND" at 24.003,3.175 h1.52 r270
  text "CLK" at 24.892,3.175 h1.52 r270
  text "3V3" at 30.734,3.175 h1.52 r270